# KiCad board rosco_m68k.kicad_pcb (continued)
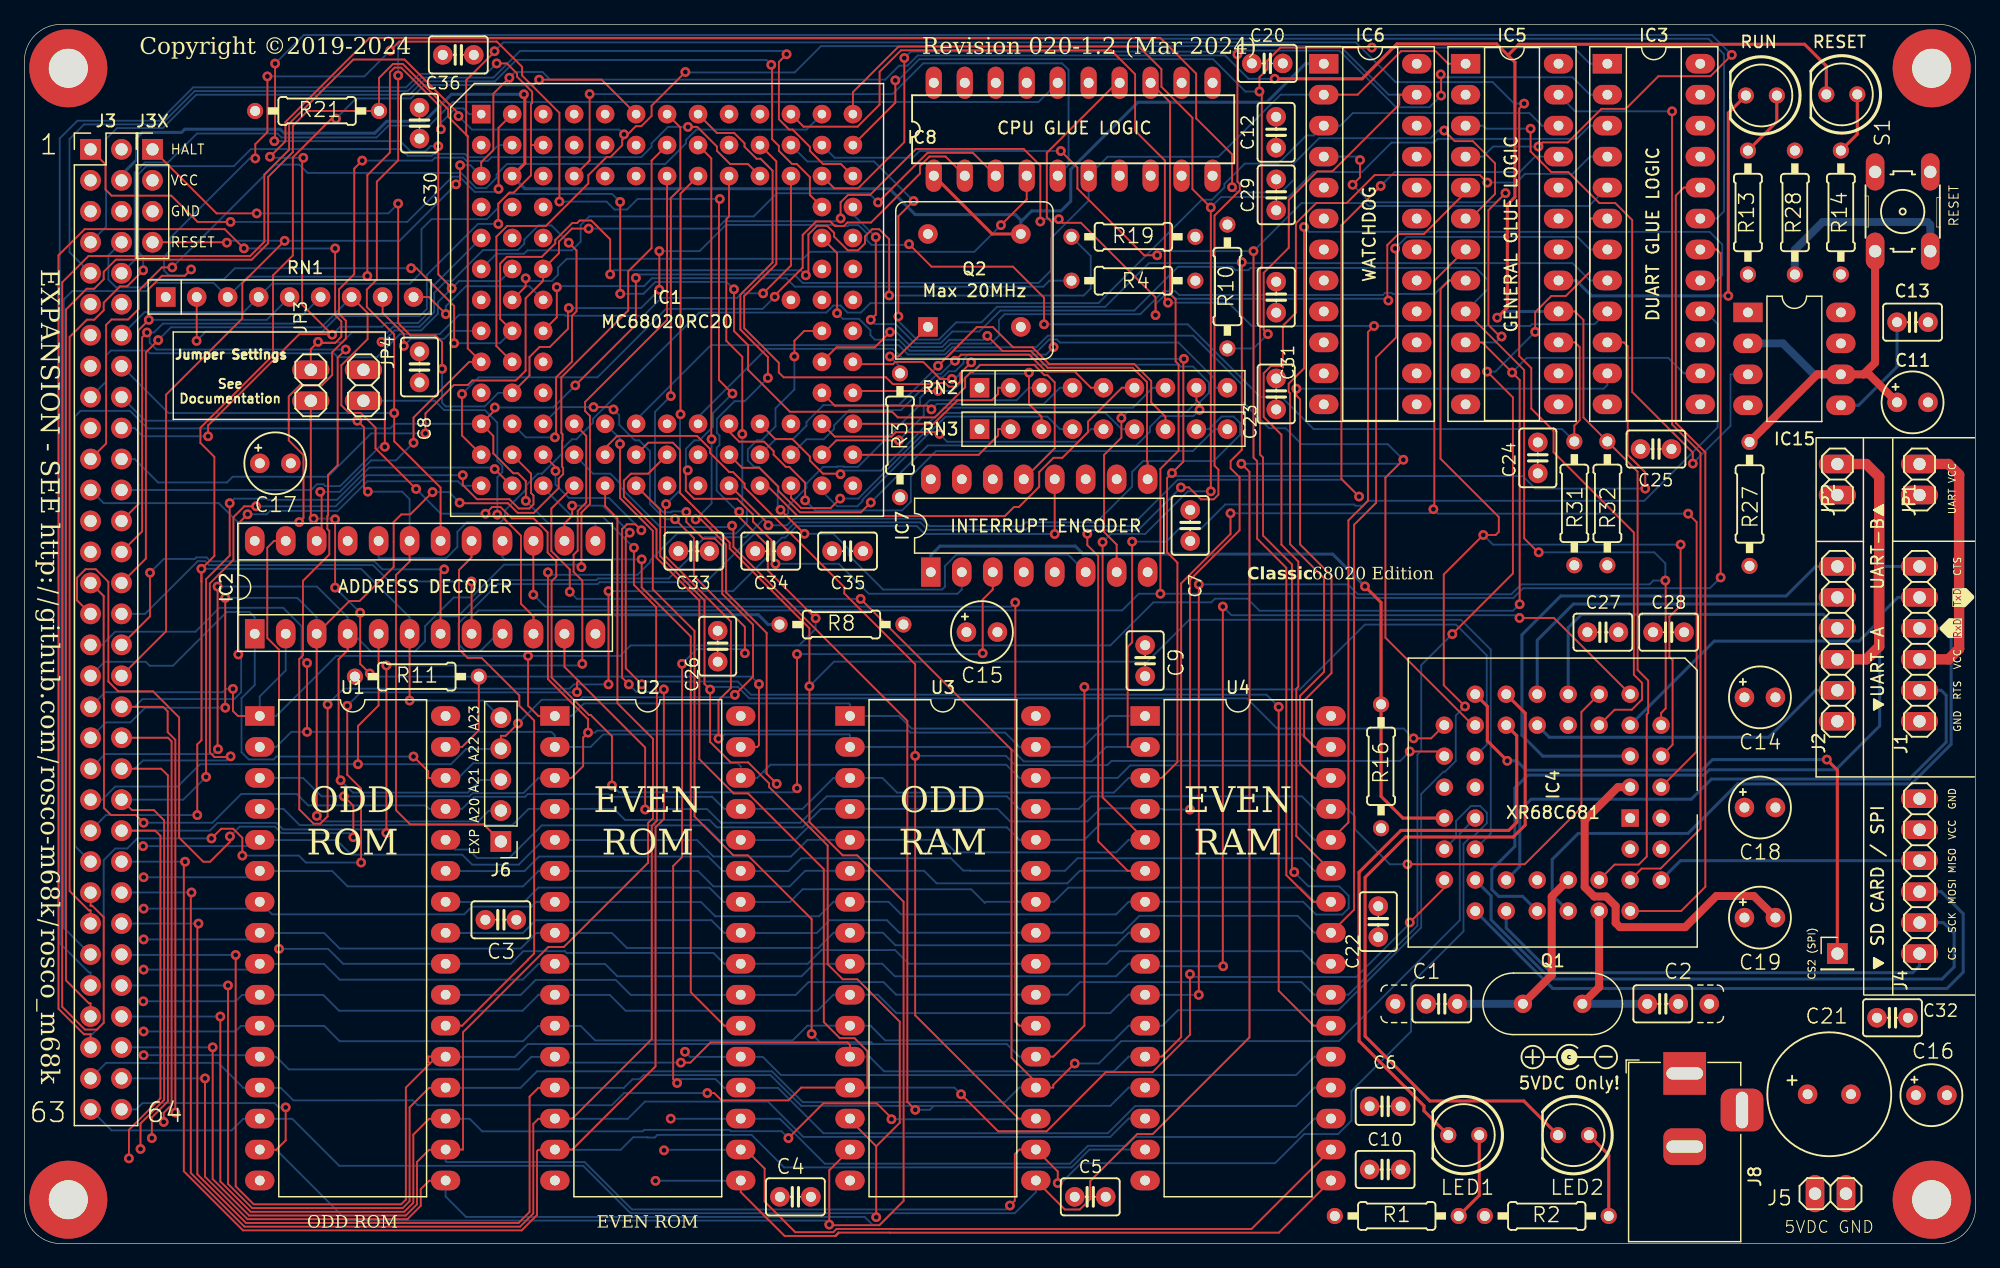
[diagram p0: board, top side]
## Routing (per net, layer and track width the routed paths; a pad name or vN(x,y) marks a point on that pad's centre or on a via; arc(x,y) is an arc through that point)
GND: length 143.1
  Top w0.65: C19.- 141.81,28.51 138.74,28.51 136.18,25.96 130.83,25.96 130.48,26.3 130.48,27.69 129.7,28.47 128.72,28.47 127.94,29.25 127.94,34.72 130.67,37.44 131.67,37.44
  Route2 w0.65: IC1.L7 51.46,66 51.46,63.4 IC1.N7 ; IC1.C3 43.33,87.56 45.55,85.34 47.71,85.34 48.75,84.3 54.4,84.3 56.54,86.44 56.54,88.86 IC1.B9 ; IC1.C3 41.3,86.32 41.3,82.03 40.45,81.18 39.08,81.18 38.76,80.86 38.76,71.81 39.49,71.08 41.3,71.08 IC1.J3 ; IC1.C3 41.3,88.8 38.76,88.8 IC1.B1 ; IC1.L11 64.1,68.48 65.91,68.48 66.7,69.27 66.7,73.62 IC1.H13 ; IC1.F12 IC1.G12 66.7,78.7 79.33,78.7 81.71,76.32 Q2.4
  Route2 w0.85: 149.27,4.2 149.27,11.74 C21.- 150.58,11.45 150.62,11.45 152.32,9.75 155.22,9.75 157.64,12.17 157.64,4.84
VCC: length 103.2
  Route15 w0.65: IC1.G11 63.65,77.4 64.89,78.64 66.7,78.64 IC1.G13 ; IC1.N13 67.94,58.51 C35.1 ; 32.1,86.55 32.1,85.25 36.17,81.18 41.24,81.18 IC1.E3 IC1.D3 IC1.D2 IC1.D1 ; C34.1 58.85,56.8 57.15,58.5 57.15,60.25 IC1.N8 56,62.92 56,63.94 IC1.M8
  Route15 w0.85: C16.+ 153.13,14.15 146.99,14.15 146.22,13.38 ; 7.96,89.75 J3-X1.2 12.53,85.18 12.53,82.14 11.15,80.76 11.15,78.08 RN1.1 ; 146.22,13.38 C21.+ 146.73,11.74 146.73,4.2 ; 146.22,13.38 146.22,19.52 ; 37.8,26.56 37.64,26.72 37.64,40.17 U1.32
VCCUA: length 21.5
  Top w0.85: J1.3 157.77,47.92 158.65,48.79 158.65,63.07 157.77,63.94 JP1.1
VCCUB: length 21.6
  Top w0.85: JP2.1 151.04,63.94 152.09,62.88 152.09,48.98 151.04,47.92 J2.3
A0: length 56.8
  Top w0.152: v1(46.35,94.28) 46.35,88.83 IC1.C4
  Bottom w0.152: v1(46.35,94.28) 71.18,94.28 73.7,96.81 85.09,96.81 85.62,96.27 85.62,88.48 IC8.5
A1: length 348.9
  Top w0.152: 134.21,37.44 137.12,40.35 137.12,59.18 v1(136.43,59.87) ; IC1.A2 38.88,91.52 v1(38.88,86.5) ; v1(115.54,60.23) 115.61,60.31 115.61,78.97 IC5.7 ; U4.12 93.25,15.34 94.85,16.94 94.85,54.16 98.9,58.2 v1(98.9,59.9) ; J3.1 6.65,88.52 6.65,86.45 7.15,85.95 12.05,85.95 14.2,83.8 v1(16.9,83.8) ; v1(53.83,14.85) 54.61,14.85 56.27,16.5 67.48,16.5 67.7,16.29 U3.12
  Route15 w0.152: v1(9.77,15.45) 9.15,14.82 1.6,14.82 0.42,16 0.42,85.75 4.42,89.75 J3.1
  Bottom w0.152: U3.12 69.29,15.34 70.5,14.13 89.34,14.13 90.55,15.34 U4.12 ; v1(38.88,86.5) 38.64,86.26 36.92,86.26 35.68,87.51 35.11,87.51 31.4,83.8 v1(16.9,83.8) ; 19.32,15.32 20.65,15.32 21.68,14.29 40.54,14.29 41.57,15.32 42.53,15.32 ; v1(53.83,14.85) 43.99,14.85 ; v1(136.43,59.87) 115.9,59.87 v1(115.54,60.23) 115.21,59.9 v1(98.9,59.9) ; v1(9.77,15.45) 19.16,15.45
A2: length 349.7
  Top w0.152: IC1.E12 66.64,81.24 v1(66.64,76.31) ; IC4.4 135.15,40.92 135.15,47.87 134.89,48.13 134.89,51.41 135.81,52.34 v1(135.81,57.33) ; v1(118.13,44.06) 116.39,45.8 116.39,54.88 v1(119.63,58.12) 120.64,58.12 120.9,58.38 120.9,59.6 116.12,64.38 116.12,78.29 116.82,79 IC5.8
  Route15 w0.152: J3.3 4.57,86.36 4.56,86.36 0.73,82.53 0.73,20.42 3.77,17.38 9.75,17.38 v1(9.77,17.4)
  Bottom w0.152: IC5.8 116.75,79 115.65,77.89 112.19,77.89 112.11,77.98 111.58,77.98 111.41,77.81 94.68,77.81 94.37,78.11 93.38,78.11 91.5,76.23 80.38,76.23 79.91,75.76 79.91,74.47 79.26,73.82 75.97,73.82 75.38,73.23 72.6,73.23 71.7,74.14 69.74,74.14 69.37,74.51 69.37,74.91 68.44,75.85 67.1,75.85 v1(66.64,76.31) ; v1(135.81,57.33) 120.42,57.33 v1(119.63,58.12) ; v1(9.77,17.4) 17.3,17.4 17.76,17.86 24.59,17.86 25.85,16.6 40.89,16.6 42.15,17.86 45.61,17.86 46.8,16.67 63,16.67 64.21,17.88 U3.11 69.37,17.88 70.58,16.67 89.34,16.67 90.55,17.88 U4.11 93.33,17.88 94.6,19.15 107.75,19.15 114.53,25.93 114.53,36.87 116.37,38.71 116.5,38.71 117.37,39.59 117.37,43.31 v1(118.13,44.06)
A3: length 352.2
  Top w0.152: v1(96.3,54.07) v1(96.3,20.4) ; v1(69.4,75.77) 69.81,76.19 v1(69.81,82.55) ; v1(134.56,54.39) 134.58,54.36 134.58,43.9 134.21,43.53 IC4.6 ; IC5.9 122.98,71.65 122.98,57.84 124.12,56.7 v1(124.17,56.7)
  Route15 w0.152: J3.5 1.03,80.28 1.03,22.14 3.27,19.9 9.72,19.9 v1(9.75,19.88)
  Bottom w0.152: IC5.9 120,78.28 120,79.04 119.01,80.03 100.55,80.03 100.36,79.84 99.31,79.84 99.04,80.11 94.6,80.11 91.02,76.53 80.03,76.53 78.3,74.81 76.09,74.81 75.12,73.84 73.01,73.84 71.43,75.42 69.75,75.42 v1(69.4,75.77) ; U2.10 42.17,20.42 42.15,20.4 ; v1(124.17,56.7) 133.65,56.7 134.56,55.79 v1(134.56,54.39) 133.58,54.39 133.26,54.07 122.74,54.07 121.93,53.26 109.34,53.26 108.53,54.07 v1(96.3,54.07) ; 42.15,20.4 48,20.4 49.3,19.1 65.03,19.1 66.35,20.42 U3.10 69.98,20.42 71.5,18.91 89.04,18.91 90.55,20.42 U4.10 ; 42.15,20.4 40.85,19.1 25.8,19.1 24.5,20.4 17.85,20.4 17.32,19.88 v1(9.75,19.88) ; v1(96.3,20.4) 91.92,20.4 ; 67.94,84.42 v1(69.81,82.55)
A4: length 305.4
  Top w0.152: v1(98.3,22.75) 98.27,22.78 v1(98.27,52.25) ; v1(61.24,96.68) 61.31,96.62 61.31,90.59 61.87,90.02 61.87,89.63 62.95,88.55 63.33,88.55 64.41,87.47 64.41,86.01 IC1.D12 ; IC4.7 125.42,51.32 v1(122.6,51.32)
  Route15 w0.152: J3.7 1.34,78.04 1.34,23.89 2.75,22.47 v1(9.77,22.47)
  Bottom w0.152: v1(98.3,22.75) 92.11,22.75 ; 19.3,22.94 24.56,22.94 25.85,21.65 40.86,21.65 42.15,22.94 47.61,22.94 48.62,21.93 63.73,21.93 64.75,22.95 66.34,22.95 66.35,22.96 U3.9 70.34,22.96 71.37,21.93 89.52,21.93 90.55,22.96 U4.9 ; v1(98.27,52.25) 98.98,51.54 122.37,51.54 v1(122.6,51.32) ; J3.7 6.7,83.41 6.7,90.6 7.59,91.49 11.35,91.49 14.09,94.23 31.56,94.23 32.67,95.33 38.58,95.33 40.33,97.08 60.84,97.08 v1(61.24,96.68) ; v1(9.77,22.47) 18.82,22.47
A5: length 235.1
  Top w0.152: v1(62.5,97.55) 61.87,96.92 61.87,92.22 62.72,91.37 63,91.37 64.41,89.96 64.41,89.63 65.49,88.55 66.95,88.55 IC1.C13
  Route15 w0.152: J3.9 1.64,75.81 1.64,26.91 3.6,24.95 v1(9.77,24.95)
  Bottom w0.152: v1(9.77,24.95) 18.75,24.95 ; 19.3,25.48 24.57,25.48 25.85,24.2 40.7,24.2 41.98,25.48 48.17,25.48 49.4,24.25 65.1,24.25 66.35,25.5 U3.8 70.4,25.5 71.43,24.47 89.52,24.47 90.55,25.5 U4.8 ; v1(62.5,97.55) 62.23,97.82 40.64,97.82 38.46,95.64 32.54,95.64 31.44,94.53 13.96,94.53 11.23,91.8 4.9,91.8 3.7,90.6 3.7,81.31 J3.9
A6: length 302.6
  Top w0.152: v1(104.12,30.47) 103.94,30.66 103.94,55.7 101.57,58.07 101.57,64.47 101.32,64.73 101.32,79.9 101.47,80.05 101.47,94.3 v1(101.27,94.49) 101.27,95.67 101.92,96.32 101.92,97.02 102.99,98.1 v1(110.49,98.1) ; v1(71.42,95.41) 71.42,93.58 IC1.B13
  Route15 w0.152: v1(9.77,27.47) 3.77,27.47 1.95,29.3 1.95,68.15 1.95,73.55 1.99,73.59 1.99,73.61 J3.11
  Bottom w0.152: v1(101.27,94.49) 100.12,94.49 97.47,97.15 73.38,97.15 71.64,95.41 v1(71.42,95.41) ; U2.7 41.99,28.04 41.97,28.02 ; v1(9.77,27.47) 18.76,27.47 ; 19.3,28.02 20.31,27.01 36.07,27.01 36.7,27.64 41.59,27.64 41.97,28.02 ; IC3.1 128.37,96.78 127.05,98.1 v1(110.49,98.1) ; 41.97,28.02 55.48,28.02 56.65,26.85 65.16,26.85 66.35,28.04 U3.7 70.86,28.04 71.9,27 89.51,27 90.55,28.04 U4.7 104.86,28.04 105.91,26.99 108.07,26.99 108.59,27.51 108.59,28.52 107.81,29.31 105.29,29.31 v1(104.12,30.47)
A7: length 297.5
  Top w0.152: v1(116.17,94.16) 116.17,95.86 v1(116.14,95.9) ; U4.6 90.47,30.58 88.05,32.99 88.05,56.39 87.16,57.29 v1(87.16,58.22) ; IC1.C12 66.41,86.55 68.36,86.55 72.15,90.34 v1(72.15,97.24) ; v1(94.83,62.02) 95.49,62.02 96.47,61.05 97.53,61.05 97.91,61.43 97.91,63.48 97.59,63.8 97.59,84.32 99.66,86.39 99.66,86.91 99.47,87.1 v1(99.47,97.54)
  Route15 w0.152: J3.13 2.25,71.34 2.25,68.28 2.25,68.28 2.25,31.39 3.57,30.07 9.75,30.07 v1(9.77,30.05)
  Bottom w0.152: 42.15,30.56 42.17,30.58 U2.6 ; 42.15,30.56 40.89,29.3 26.5,29.3 25.24,30.56 19.3,30.56 ; 42.15,30.56 55.24,30.56 56.5,29.3 62.75,29.3 64.03,30.58 U3.6 73.77,30.58 74.8,29.55 85.52,29.55 86.54,30.58 U4.6 ; v1(72.15,97.24) 72.68,97.77 99.45,97.77 ; v1(99.47,97.54) 99.45,97.56 99.45,97.77 ; IC3.2 128.37,94.24 126.95,95.66 116.37,95.66 v1(116.14,95.9) ; v1(116.17,94.16) 115.22,93.21 112.47,93.21 107.83,97.85 99.53,97.85 99.45,97.77 ; v1(9.77,30.05) 18.77,30.05 ; v1(94.83,62.02) 91.32,58.51 87.45,58.51 v1(87.16,58.22)
A8: length 269.8
  Top w0.152: v1(97.28,61.7) v1(97.28,84.99) 95.78,86.49 95.78,92.34 93.24,94.88 93.24,96.32 91.39,98.18 71.68,98.18 67.94,94.44 IC1.A13 ; U4.5 88.41,36.6 v1(88.41,57.54)
  Route15 w0.152: v1(9.72,32.6) 3.72,32.6 2.56,33.77 2.56,69.1 J3.15
  Bottom w0.152: IC3.3 128.37,91.7 127.29,90.61 115.88,90.61 115.57,90.31 112.11,90.31 109.69,87.89 105.7,87.89 103.65,85.84 98.14,85.84 v1(97.28,84.99) ; 19.3,33.1 25.6,33.1 26.8,31.9 35.9,31.9 36.72,31.08 40.53,31.08 42.55,33.1 55.15,33.1 56.5,31.75 62.85,31.75 64.22,33.12 75.27,33.12 75.3,33.15 76.36,32.09 89.52,32.09 90.55,33.12 U4.5 ; 18.78,32.6 v1(9.72,32.6) ; v1(97.28,61.7) 95.4,61.7 91.9,58.2 89.08,58.2 v1(88.41,57.54)
A9: length 292.9
  Top w0.152: U4.27 104.3,33.42 104.3,45.51 104.46,45.68 104.46,55.94 103.08,57.33 103.08,66.34 101.62,67.8 101.62,71.38 102.22,71.99 103.08,71.99 103.2,71.87 103.2,75.28 104.26,76.35 104.26,83.67 105.93,85.35 108.42,85.35 110.72,87.64 119.35,87.64 v1(119.96,87.03) ; v1(60.57,77.94) 62.86,80.23 IC1.C11
  Route15 w0.152: 34.54,30.56 24.32,30.56 22.29,32.59 22.29,45.16 20.1,47.35 14.94,47.35 13.8,48.49 13.8,60.12 13.23,60.7 13.23,63.23 8.48,67.97 6.89,67.97 J3.17
  Bottom w0.152: v1(60.57,77.94) 58.82,77.94 58.44,77.57 52.23,77.57 50.77,76.1 44.38,76.1 44.31,76.18 35.65,76.18 34.06,74.59 30.8,74.59 28.91,72.7 25.7,72.7 25.37,73.03 10.27,73.03 10.05,73.25 7.1,73.25 6.7,72.85 6.7,70.7 J3.17 ; v1(119.96,87.03) 122.34,87.03 123.05,87.74 126.96,87.74 128.37,89.16 IC3.4 ; U4.27 105.79,30.58 104.76,31.6 86.35,31.6 85.33,30.58 U3.27 77.57,30.58 77.55,30.6 76.98,30.6 75.98,31.6 63.7,31.6 62.66,30.56 57.26,30.56 56.07,31.75 42.2,31.75 41.01,30.56 34.54,30.56
A10: length 264.7
  Top w0.152: U4.26 105.67,28.04 103.48,30.22 103.48,55.42 101.09,57.82 101.09,64.17 100.79,64.47 v1(100.79,81.4) ; v1(84.99,89.62) 86.35,88.26 86.35,86.54 91.82,81.06 v1(92.89,81.06)
  Route15 w0.152: 34.54,28.02 26.43,28.02 21.98,32.46 21.98,45.04 19.98,47.04 14.81,47.04 13.5,48.36 13.5,60 12.92,60.57 12.92,62.03 9.38,65.57 6.74,65.57 J3.19
  Bottom w0.152: v1(84.99,89.62) 73.41,89.62 72.85,89.06 66.44,89.06 IC1.B12 ; v1(92.89,81.06) 93.23,81.4 v1(100.79,81.4) 104.73,85.35 109.99,85.35 110.23,85.1 128.29,85.1 IC3.5 ; U4.26 105.79,28.04 104.63,29.19 85.59,29.19 84.44,28.04 U3.26 78.84,28.04 78.75,27.95 77.63,29.06 63.81,29.06 62.77,28.02 57.35,28.02 56.17,29.2 42.15,29.2 40.97,28.02 34.54,28.02
A11: length 298.4
  Top w0.152: v1(119.94,71.52) 122.06,69.4 122.06,54.96 v1(117.09,49.99) ; v1(123.88,74.78) 123.88,76.4 125.21,77.73 126.4,77.73 128.37,79.7 128.37,84.08 IC3.6 ; J3.21 6.7,65.62 6.7,75.35 7.15,75.8 8.51,75.8 9.39,76.68 9.39,78.18 11.28,80.07 v1(12.13,80.07)
  Route15 w0.152: 34.54,20.4 33.19,20.4 21.38,32.21 21.38,44.78 19.72,46.43 14.56,46.43 12.89,48.11 12.89,59.75 12.21,60.43 4.82,60.43 4.1,61.15 4.1,63.02 J3.21
  Bottom w0.152: 34.54,20.4 40.7,20.4 41.72,21.42 41.72,21.43 41.92,21.63 48.49,21.63 49.72,20.4 63.25,20.4 64.29,21.44 70.45,21.44 71.48,20.42 U3.23 85.53,20.42 86.56,21.44 104.73,21.44 105.77,20.4 105.79,20.42 U4.23 108.57,20.42 114.23,26.08 114.23,40.11 114.54,40.42 114.54,47.45 v1(117.09,49.99) ; v1(123.88,74.78) 120.63,71.52 v1(119.94,71.52) ; IC1.A12 64.13,91.37 55.1,91.37 54.25,90.52 54.25,90.24 52.56,88.55 39.57,88.55 38.73,87.71 38.73,87.43 37.87,86.57 37.05,86.57 35.8,87.82 23.22,87.82 22.54,88.5 20.56,88.5 v1(12.13,80.07)
A12: length 300.3
  Top w0.152: IC1.C10 59.33,88.55 57.87,88.55 56.79,89.63 56.79,89.98 55.18,91.59 v1(54.42,91.59) ; U4.25 109.03,27.39 109.03,58.96 110.84,60.76 110.84,72.68 112.47,74.32 112.47,81.55 v1(112.4,81.62) ; v1(27.7,88.83) 27.05,88.18 27.05,79.52 25.8,78.27 25.8,76.26 26.36,75.7 26.36,74.23 25.24,73.11 25.24,71.24 24.4,70.4 22.59,70.4 21.68,69.49 21.68,65.88 22.89,64.67 22.89,59.53 v1(22.54,59.18)
  Route15 w0.152: 34.54,25.48 28.54,25.48 21.68,32.33 21.68,44.91 19.85,46.74 14.69,46.74 13.19,48.23 13.19,59.87 12.33,60.73 6.5,60.73 J3.23
  Bottom w0.152: U4.25 105.79,25.5 104.4,26.88 91.43,26.88 90.04,25.5 90.04,25.5 84.3,25.5 84.29,25.5 U3.25 71.75,25.5 70.72,26.53 66.03,26.53 64.98,25.48 57.39,25.48 ; v1(112.4,81.62) 113.34,82.56 127.35,82.56 128.37,81.54 IC3.7 ; v1(54.42,91.59) 52.77,91.59 51.43,90.25 51.43,89.96 50.58,89.11 38.3,89.11 38,88.8 36.26,88.8 35.99,89.07 33.68,89.07 33.44,88.83 v1(27.7,88.83) ; U2.25 57.41,25.5 57.39,25.48 ; 57.39,25.48 56.34,26.53 41.92,26.53 40.88,25.48 34.54,25.48 ; v1(22.54,59.18) 17.49,59.18 15.94,60.73 6.5,60.73 J3.23
A13: length 246.1
  Top w0.152: v1(71.67,76.05) 71.67,84.27 v1(72.91,85.51) ; v1(95.58,35.6) 95.58,54.45 99.64,58.51 99.64,62.86 98.91,63.59 98.91,64.19 99.83,65.11 v1(99.83,80.49)
  Route15 w0.152: 9.67,54.95 9.67,41.23 15.24,35.66 U1.4 ; 9.67,54.95 9.17,55.45 4.6,55.45 3.95,56.1 3.95,57.79 J3.25
  Bottom w0.152: U1.4 21.25,35.66 22.58,34.32 40.01,34.32 41.35,35.66 42.82,35.66 ; v1(95.58,35.6) 93.39,35.6 93.33,35.66 U4.4 ; IC1.B11 64.2,88.76 69.67,88.76 v1(72.91,85.51) ; 99.83,80.42 126.95,80.42 128.37,79 IC3.8 ; 99.83,80.42 92.21,80.42 88.63,76.84 79.75,76.84 78.47,75.56 76.41,75.56 75,74.15 73.18,74.15 71.67,75.66 v1(71.67,76.05) ; 99.83,80.42 v1(99.83,80.49) ; U2.4 48.34,35.66 49.25,34.75 56.18,34.75 56.78,34.14 63.81,34.14 65.32,35.66 U3.4 79.8,35.66 80.83,34.63 87.18,34.63 88.25,35.7 91.86,35.7
A14: length 288.7
  Top w0.152: U4.28 108.57,34.55 108.57,59.32 110.17,60.92 110.17,74.76 v1(110.67,75.26) ; IC1.A11 63.89,91.61 68.32,91.61 70.13,93.42 70.13,96.11 71.88,97.87 89.12,97.87 91.08,95.91 91.08,91.28 93.52,88.84 93.52,77.43 v1(93.77,77.18)
  Route15 w0.152: J3.27 6.77,58.07 9.12,58.07 9.55,58.5 12.32,58.5 12.58,58.24 12.58,47.98 14.43,46.13 19.6,46.13 21.07,44.66 21.07,32.08 33,20.15 33,19.47 33.38,19.1 36.2,19.1 36.6,19.5 36.6,32.7 36.2,33.1 34.54,33.1
  Bottom w0.152: v1(93.77,77.18) 98.73,77.18 100.64,75.26 v1(110.67,75.26) 123.48,75.26 123.62,75.41 128.76,75.41 IC3.9 ; U4.28 105.79,33.12 104.5,34.4 88.2,34.4 86.92,33.12 81.59,33.12 80.56,34.14 64.25,34.14 63.2,33.1 56.97,33.1 55.77,34.3 42.43,34.3 39.76,31.63 37.12,31.63 36.43,32.32 35.32,32.32 34.54,33.1
A15: length 256.5
  Top w0.152: v1(132.91,61.92) 132.91,63.26 131.47,64.7 131.47,73.6 131.16,73.92 IC3.10 ; J3.29 6.5,53.11 6.5,44.7 6.52,44.68 6.52,35.72 7.1,35.15 9.15,35.15 v1(9.77,34.52) ; IC1.B10 61.66,88.76 61.66,80.35 59.02,77.71 59.02,75.09 61.86,72.25 61.86,71.45 62.26,71.05 70.66,71.05 71.22,70.49 74.45,70.49 74.53,70.58 75.51,70.58 75.79,70.29 76.32,70.29 76.75,70.73 76.75,71.39 v1(77.64,72.28) ; v1(95.08,72.57) 95.03,72.52 95.03,64.13 v1(94.1,63.2) 93.7,62.8 93.7,56.7 94.55,55.85 94.55,39.49 93.25,38.2 U4.3
  Bottom w0.152: U4.3 90.55,38.2 89.34,36.99 71.56,36.99 70.35,38.2 66.35,38.2 63.81,35.66 57.39,35.66 56.38,36.67 56.35,36.64 48.12,36.64 47.9,36.87 41.27,36.87 41.05,36.65 36.88,36.65 35.89,35.66 33.19,35.66 32.9,35.94 23.27,35.94 22.34,36.88 17.78,36.88 15.42,34.52 v1(9.77,34.52) ; v1(132.91,61.92) 123.9,61.92 122.87,62.95 94.34,62.95 v1(94.1,63.2) ; v1(95.08,72.57) 77.92,72.57 v1(77.64,72.28)
A16: length 267.1
  Top w0.152: IC1.C9 57.78,84.25 57.55,84.02 57.55,74.05 58.87,72.73 v1(58.87,66.4) ; U4.31 105.79,40.74 104.94,41.59 104.94,44.55 107.18,46.79 107.18,54.77 104.61,57.35 104.61,69.25 104.3,69.55 v1(104.3,70.12) ; v1(16.85,33.4) 16.85,32.95 15.23,31.32 14.66,31.32 12.69,33.3 12.69,43.15 10.54,45.3 7.69,45.3 6.89,46.1 6.89,54.28 5.85,55.31 5.01,55.31 4.32,54.62 4.32,52.76 J3.31 ; v1(26.97,33.33) 26.97,35.91 v1(26.2,36.68) ; U2.3 44.85,38.2 45.82,39.16 45.82,41.52 v1(46.22,41.91) 46.22,43.01 46.22,43.01 42.93,46.3 v1(42.93,55.06)
  Bottom w0.152: v1(46.22,41.91) 46.78,41.91 46.94,42.07 72.5,42.07 72.65,41.91 80.41,41.91 81.59,40.74 U3.31 86.84,40.74 87.86,41.77 104.76,41.77 105.79,40.74 U4.31 ; v1(16.85,33.4) 17.65,34.2 20.55,34.2 21.08,33.67 26.64,33.67 v1(26.97,33.33) ; v1(42.93,55.06) 43.13,54.86 50.27,54.86 51.32,55.9 51.32,56.04 53.53,58.25 58.35,58.25 59.24,59.14 59.24,60.28 58.87,60.66 v1(58.87,66.4) ; 43.48,38.18 42.15,38.18 40.92,36.95 36.75,36.95 36.49,36.68 v1(26.2,36.68) 24.36,36.68 22.85,38.2 U1.3 ; v1(104.3,70.12) 129.5,70.12 129.8,70.42 129.8,70.9
A17: length 235.6
  Top w0.152: IC1.C8 53.8,86.12 v1(53.8,68.02) ; v1(52.62,60.65) 52.53,60.56 52.53,56.42 57.93,51.02 57.93,45.57 56.92,44.56 v1(56.92,41.42) ; U4.2 90.47,40.74 90.47,48.95 90.84,49.32 v1(90.84,57.58) ; v1(23.18,47.62) v1(23.18,41.97)
  Bottom w0.152: 57.42,41.77 47.45,41.77 46.43,40.74 U2.2 43.5,41.69 43.22,41.97 v1(23.18,41.97) 21.89,41.97 20.65,40.74 U1.2 ; 57.42,41.77 67.62,41.77 67.7,41.69 U3.2 80.76,40.74 81.95,39.55 87.52,39.55 88.7,40.74 U4.2 ; 57.42,41.77 57.07,41.42 v1(56.92,41.42) ; 137.82,76.46 138.85,75.43 138.85,66.95 132.83,60.93 110.15,60.93 109.74,60.52 109.14,60.52 109.04,60.62 98.47,60.62 96.51,58.66 94.72,58.66 93.63,57.58 v1(90.84,57.58) ; v1(52.62,60.65) 53.76,61.8 53.76,67.98 v1(53.8,68.02) ; J3.33 6.5,49.11 6.5,49.24 7.45,50.19 14.03,50.19 15.99,52.15 21.22,52.15 22.72,50.65 22.72,48.07 v1(23.18,47.62)
A18: length 267.4
  Top w0.152: v1(31.91,39.95) 33.11,38.75 33.11,38.2 U1.30 ; U4.30 105.79,38.2 104.6,39.38 104.6,44.93 106.57,46.9 106.57,54.58 103.78,57.37 103.78,69.76 103.67,69.86 103.67,70.53 104.93,71.79 v1(104.93,83.38) ; v1(56.35,65.97) 56.32,66 56.32,89.02 IC1.B8 ; v1(61.69,37.71) 60.86,38.54 60.86,50.09 57.53,53.42 57.53,57.34 55.47,59.4 v1(55.04,59.4)
  Bottom w0.152: 60.65,38.76 60.09,38.2 U2.30 58.74,39.15 58.49,39.4 36.79,39.4 35.59,38.2 ; 60.65,38.76 v1(61.69,37.71) ; 60.65,38.76 61.17,39.28 80.5,39.28 81.59,38.2 U3.30 84.29,38.2 84.3,38.2 86.87,38.2 86.87,38.2 89.65,38.2 90.67,39.22 104.76,39.22 105.79,38.2 U4.30 ; v1(104.93,83.38) 105.33,82.98 138.19,82.98 139.22,81.95 139.22,79.44 138.78,79 IC3.17 ; v1(31.91,39.95) 20.67,39.95 20.42,39.71 18.4,39.71 17.8,40.3 17.8,44.74 18.89,45.82 18.89,51.37 18.45,51.8 16.59,51.8 12.18,47.4 10.27,47.4 9.95,47.72 6.58,47.72 J3.35 ; v1(55.04,59.4) 56.35,60.71 v1(56.35,65.97)
A19: length 320.3
  Top w0.152: v1(121.45,86.16) 120.05,84.76 120.05,75.35 121,74.4 v1(121.13,74.4) ; v1(58.62,60.02) 58.62,59.59 60.96,57.25 60.96,55.21 v1(64.88,51.29) ; IC5.10 119.53,73.92 v1(121.99,71.45) 122.61,70.83 v1(122.61,52.44) ; U2.1 42.15,43.28 41.3,44.12 v1(41.3,48.2) ; U1.1 17.51,43.28 17.1,43.68 v1(17.1,45.5) ; IC1.A8 56.79,91.09 58.21,91.09 59.05,90.25 59.05,89.97 60.04,88.98 60.37,88.98 61.35,88 61.35,80.47 58.71,77.83 58.71,74.98 60.97,72.71 v1(60.97,71) ; v1(109.52,88.87) 109.52,87.46 v1(108.91,86.85)
  Bottom w0.152: v1(121.99,71.45) 123.19,72.65 134.8,72.65 136.07,71.38 IC3.14 ; v1(17.1,45.5) 16.53,45.5 16.26,45.22 6.62,45.22 J3.37 ; IC5.10 120.65,73.92 v1(121.13,74.4) ; v1(60.97,71) 59.06,69.09 58.23,69.09 56.78,67.64 56.78,66.5 57,66.28 57,65.5 56.77,65.26 56.77,61.75 58.49,60.02 v1(58.62,60.02) ; v1(108.91,86.85) 110.35,85.41 120.7,85.41 v1(121.45,86.16) ; IC6.4 109.23,89.16 v1(109.52,88.87) ; 63.52,49.06 49.71,49.06 48.84,48.2 v1(41.3,48.2) 25.58,48.2 20.65,43.28 U1.1 19.3,44.88 21.43,47.01 IC2.2 ; 63.52,49.06 64.88,50.42 v1(64.88,51.29) ; 63.52,49.06 89.04,49.06 92.58,52.59 97.33,52.59 97.63,52.9 100.29,52.9 101.28,51.91 122.08,51.91 v1(122.61,52.44) ; U4.1 88.94,43.28 87.92,42.25 72.75,42.25 71.72,43.28 U3.1 67.7,44.23 67.62,44.3 45.88,44.3 44.85,43.28 U2.1
A20: length 121.5
  Top w0.152: v1(23.98,35.08) 23.97,35.1 IC2.3 26.65,52.7 27.48,52.7 30.28,55.5 30.28,59.18 30.91,59.81 31.64,59.81 v1(33.47,61.64) ; v1(35.69,60.77) 35.74,60.72 39.66,60.72 40.45,59.93 41.78,59.93 43.81,61.97 43.81,62.74 44.18,63.11 44.18,63.63 44.09,63.72 44.09,65.83 44.13,65.87 44.13,66.39 44.03,66.49 44.03,71.05 49.51,76.53 49.51,79.74 51.43,81.66 51.43,88.83 IC1.B7 ; v1(16.47,52.96) v1(16.47,43.95)
  Bottom w0.152: v1(16.47,52.96) 22.38,52.96 23.97,51.37 IC2.3 ; v1(16.47,43.95) 9.9,43.95 8.7,42.75 6.68,42.75 J3.39 ; 39.07,35.49 38.07,35.49 37.2,34.63 24.44,34.63 v1(23.98,35.08) ; v1(35.69,60.77) 34.82,61.64 v1(33.47,61.64)
A21: length 122.5
  Top w0.152: v1(25.93,38) 25.76,38.17 25.76,47.92 26.51,48.67 IC2.4 ; v1(15.84,53.89) 15.84,40.58 v1(15.88,40.55) ; IC1.C7 52.7,75.75 45.98,69.03 45.98,68.28 46.38,67.88 46.38,60.66 45.68,59.97 v1(45.68,55.49)
  Bottom w0.152: v1(25.93,38) 26.94,36.99 36.36,36.99 37.41,38.03 39.07,38.03 ; v1(15.88,40.55) 15.47,40.15 6.62,40.15 J3.41 ; v1(45.68,55.49) 45.48,55.69 39.33,55.69 36.64,53 35.21,53 32.86,50.64 32.86,49.41 32.02,48.57 28.41,48.57 26.51,50.47 26.51,51.37 23.99,53.89 v1(15.84,53.89)
A22: length 123.1
  Top w0.152: IC1.A7 53.79,91.55 53.79,86.54 53,85.76 v1(53,69.52) ; v1(27.35,39.32) 27.35,42.45 29.05,44.14 IC2.5 ; v1(58.26,45.01) 59.75,46.5 59.75,50.77 57.22,53.29 57.22,57.22 56.61,57.83 55.64,57.83 54.28,59.19 v1(54.28,60.01) ; v1(40.48,42.66) 39.47,41.65 39.07,41.65 39.07,40.57
  Bottom w0.152: 39.07,40.57 36.23,40.57 34.98,39.32 v1(27.35,39.32) 14.4,39.32 12.57,37.49 7.45,37.49 6.5,36.54 6.5,36.41 J3.43 ; v1(58.26,45.01) 58.06,44.81 45.78,44.81 45.57,44.61 42.42,44.61 v1(40.48,42.66) ; v1(54.28,60.01) 54.23,60.06 53.11,60.06 53.04,59.98 52.4,59.98 51.71,60.68 51.71,68.22 v1(53,69.52)
A23: length 134.1
  Top w0.152: 22.01,89.09 22.01,81.04 20.39,79.42 20.39,72.87 14.44,66.91 14.44,65.67 15.58,64.53 15.58,56.41 14.52,55.35 14.52,54.3 ; v1(14.51,55.35) 14.51,54.3 14.52,54.3 ; v1(14.17,35.15) 14.17,40.94 14.52,41.29 14.52,54.3 ; 22.01,89.09 25.19,92.27 v1(25.55,92.27) ; v1(42.21,95.47) 47.33,95.47 IC1.A6 ; IC2.6 v1(31.59,44.54)
  Bottom w0.152: v1(14.17,35.15) 6.7,35.15 6.27,34.72 6.27,34.72 J3.45 ; v1(31.59,44.54) 37.64,44.54 39.07,43.11 ; v1(14.51,55.35) 27.61,55.35 31.59,51.37 IC2.6 ; v1(42.21,95.47) 41.74,95 39.51,95 39.48,95.03 32.79,95.03 31.69,93.92 27.2,93.92 v1(25.55,92.27)
AS: length 186.8
  Top w0.152: v1(45.17,70.39) 50.14,75.36 v1(50.14,79.2) ; IC5.1 116.75,96.78 115.72,97.8 112.89,97.8 109.32,94.24 IC6.2 ; v1(38.58,68.58) 38.58,68.36 IC1.L1 38.45,66.25 38.45,64.81 40.08,63.18 40.47,63.18 41.11,62.54 v1(41.11,60.92)
  Bottom w0.152: v1(41.11,60.92) 42.97,59.07 46.83,59.07 IC2.13 ; v1(45.17,70.39) 43.36,68.58 v1(38.58,68.58) ; IC1.L1 30.37,67.24 30,66.87 10.1,66.87 8.66,68.3 4.6,68.3 4.15,67.85 4.15,32.6 J3.47 ; v1(50.14,79.2) 50.43,79.49 63.12,79.49 63.82,78.79 83.16,78.79 84.18,79.82 84.18,82.46 87.27,85.55 IC8.6 88.82,89.14 97.91,89.14 103,94.24 IC6.2
BERR: length 262
  Top w0.152: v1(101.97,74.6) 101.62,74.94 101.62,79.62 103.68,81.68 103.68,85.61 106.02,87.95 107.26,87.95 112.74,93.43 112.74,94.24 IC6.23 ; IC1.J2 38.7,73.62 38.7,82.59 39.59,83.47 42.76,83.47 46.24,86.95 46.24,87.63 47.72,89.11 48.05,89.11 49.02,90.08 49.02,90.53 49.32,90.83 ; 49.32,90.83 50.14,91.65 50.59,91.65 51.43,92.49 51.43,93.33 v1(54.2,96.1) ; 49.32,90.83 v1(49.17,90.98) ; J3.49 5.42,27.71 5.56,27.71 6.5,26.77 6.5,18.11 5.94,17.55 4.97,17.55 3.1,19.42 3.1,78.84 5.26,81 18.51,81 19.68,82.17 19.68,87.69 21.71,89.72 21.71,91.85 26.97,97.12 31.18,97.12 35.6,92.7 v1(35.6,92.48)
  Bottom w0.152: v1(49.17,90.98) 48.78,91.37 36.71,91.37 v1(35.6,92.48) ; IC6.23 111.87,94.24 107.89,98.22 65.32,98.22 63.16,96.06 54.24,96.06 v1(54.2,96.1) ; R10.1 100.79,73.42 v1(101.97,74.6)
BG: length 97.9
  Top w0.152: J3.51 5.42,27.33 5.29,27.33 3.71,28.91 3.71,74.37 5.12,75.78 5.73,75.78 6.5,76.55 6.5,77.17 7.84,78.51 8.42,78.51 v1(9.74,79.83)
  Bottom w0.152: IC1.B2 38.86,90.1 37.87,89.11 36.38,89.11 36.11,89.38 33.55,89.38 33.4,89.23 31.44,89.23 30.89,89.77 18.58,89.77 17.17,88.37 10,88.37 9.35,87.72 9.35,81.33 9.74,80.94 v1(9.74,79.83)
BGACK: length 110.8
  Top w0.152: v1(28.12,79.36) 28.12,87.64 29.97,89.49 29.97,96.07 30.35,96.45 30.9,96.45 34.12,93.23 34.12,91.43 v1(34.15,91.4)
  Bottom w0.152: J3.53 3.24,25.9 3.24,77.44 3.32,77.52 3.32,77.53 3.92,78.13 10.04,78.13 10.71,78.8 15.51,78.8 RN1.3 18.34,79.31 28.07,79.31 v1(28.12,79.36) ; v1(34.15,91.4) 34.15,91.92 35.34,93.11 36,93.11 36.47,92.64 IC1.A1
BOOT: length 128.5
  Top w0.152: v1(109.44,61.27) 108,62.72 108,83.53 v1(111.22,86.75)
  Bottom w0.152: 38.81,50.02 37.38,48.59 36.17,48.59 35.6,49.16 35.6,50.88 38.81,54.09 47,54.09 47.16,54.25 55.89,54.25 59.85,58.21 62.25,58.21 63.2,59.16 73.47,59.16 74.08,58.55 82.13,58.55 82.44,58.85 90.77,58.85 94.57,62.65 108.06,62.65 v1(109.44,61.27) ; v1(111.22,86.75) 112.35,87.89 122.61,87.89 123.88,89.16 IC5.21
BR: length 160.2
  Top w0.152: v1(38.86,83.63) 38.86,85.3 39.77,86.21 40.13,86.21 41.54,87.61 41.54,90.1 ; 41.54,90.1 IC1.B3 ; 41.54,90.1 41.54,93.46 41.63,93.56 41.63,94.48 40.4,95.71 40.4,95.97 39.57,96.8 v1(38.73,96.8) ; RN1.2 14.13,74.05 v1(14.12,74.04)
  Bottom w0.152: v1(38.86,83.63) 37.19,83.63 33,79.44 33,76.66 32.42,76.07 25.69,76.07 24.43,74.81 14.89,74.81 v1(14.12,74.04) ; v1(38.73,96.8) 37.87,95.94 32.42,95.94 31.31,94.83 13.83,94.83 11.1,92.1 4.35,92.1 2.9,90.65 2.9,24.64 5.29,22.25 5.42,22.25 J3.55
CDIS: length 11.6
  Top w0.152: v1(31.11,73.63) 31.11,74.61 29.37,76.35 RN1.8
  Bottom w0.152: IC1.H1 35.06,74.86 34.41,74.21 31.69,74.21 v1(31.11,73.63)
CLK: length 129.5
  Top w0.152: 40.99,94.23 v1(40.96,94.26)
  Top w0.25: IC8.1 79.35,82.81 Q2.5 ; IC1.C2 41.04,88.6 41.04,94.19 v1(40.96,94.26)
  Bottom w0.175: 73.1,84.4 73.09,84.4
  Bottom w0.25: 81.71,83.81 82.6,84.7 85,84.7 85.8,85.5 85.8,88.1 91.31,93.61 101.88,93.61 105.05,96.78 IC6.1 ; IC1.C2 41.04,86.52 70.93,86.52 73.05,84.4 81.25,84.4 81.71,83.94 Q2.5 ; v1(40.96,94.26) 35.02,94.26 32.8,92.05 29.7,92.05 28.73,91.08 21.3,91.08 20.98,91.4 13.15,91.4 12.89,91.14 9.65,91.14 9.2,90.7 9.2,88.9 7.96,87.66
CPUSP: length 116
  Bottom w0.152: IC2.20 29.05,56.21 34.58,56.21 35.5,57.14 35.5,58.38 36.29,59.16 39.04,59.16 39.41,59.53 39.41,60.13 41.18,61.9 41.18,62.22 42.11,63.15 42.44,63.15 42.44,63.15 44.09,64.8 44.09,65.16 44.9,65.97 45.26,65.97 46.63,67.33 46.63,67.65 55.34,76.36 65.76,76.36 66.34,76.94 66.92,76.94 67.5,76.36 68.59,76.36 69.37,77.14 88.08,77.14 88.57,77.63 88.57,77.64 96.55,85.62 97.39,85.62 98.4,86.63 98.4,86.91 100.07,88.58 102.81,88.58 105.12,90.89 105.75,90.89 IC6.3 107.9,91.7 108.93,92.72 123.42,92.72 124.44,91.7 IC5.22
CTSA: length 31.5
  Bottom w0.25: J1.6 152.5,55.54 151.73,54.78 151.73,50.69 150.46,49.42 146.55,49.42 146.54,49.41 138.56,49.41 IC4.8
CTSB: length 46
  Bottom w0.25: IC4.5 124.51,39.98 122.8,41.69 122.8,49.94 125.98,53.12 144.47,53.12 146.89,55.54 J2.6
D0: length 192.9
  Top w0.152: v1(113.6,26.34) 116.43,29.18 IC4.28 ; v1(95.58,22.1) 95.58,17.13 92.52,14.07 88.68,14.07 83.83,9.22 79.84,9.22 v1(76.81,12.25) ; IC1.M7 51.15,63.15 49.73,63.15 49.16,62.58 49.16,61.26 51.83,58.59 51.83,56.26 55.34,52.75 55.34,39.74 58.15,36.93 59.33,36.93 65.55,30.71 65.55,18.17 66.87,16.85 68.07,16.85 69.13,15.79 69.13,12.8 U3.13 63.7,12.8 62.65,11.75 57.17,11.75 56.57,12.35 v1(56,12.35)
  Bottom w0.152: v1(95.58,22.1) 95.8,21.87 109.22,21.87 113.6,26.26 v1(113.6,26.34) ; v1(76.81,12.25) 76.26,12.8 U3.13 ; J3.61 6.7,14.82 15.9,14.82 17.95,12.78 21.02,12.78 22.05,11.75 31.85,11.75 32.25,11.35 48.16,11.35 49.16,12.35 v1(56,12.35)
D1: length 205.7
  Top w0.152: v1(113.91,41.44) 115.35,41.44 IC4.18 ; IC1.N6 52.14,60.18 52.14,56.39 55.77,52.76 55.77,45.9 v1(56.23,45.44) 56.23,41.16 57.92,39.47 59.35,39.47 61.06,37.75 61.06,37.45 65.87,32.65 65.87,22.91 67.1,21.68 68.3,21.68 71.78,18.2 71.78,9.91 69.85,7.98 ; 67.7,10.13 69.85,7.98 ; 69.85,7.98 v1(69.85,2.17)
  Bottom w0.152: v1(56.23,45.44) 56.44,45.66 58.51,45.66 59.44,44.72 100.25,44.72 102.72,42.25 113.11,42.25 v1(113.91,41.44) ; J3.63 7.15,9.28 17,9.28 17.95,10.24 21.96,10.24 25.82,6.38 45.82,6.38 49.7,2.5 69.53,2.5 v1(69.85,2.17)
D2: length 232.1
  Top w0.152: IC1.M6 51.15,65.69 53.18,65.69 53.76,65.1 53.76,61.57 57.83,57.5 57.83,57.01 64.37,50.47 v1(64.37,45.72) 64.37,34.58 67.11,31.85 68.29,31.85 72.09,28.04 72.09,3.5 70.1,1.51 66.05,1.51 v1(66,1.56) 66,6.02 U3.15 ; 19.32,7.7 20.65,7.7 21.42,8.47 v1(21.42,11.17)
  Bottom w0.152: 7.96,11.01 9.17,11.01 9.68,11.53 20.51,11.53 20.86,11.17 v1(21.42,11.17) ; v1(66,1.56) 65.68,1.89 26.46,1.89 20.65,7.7 19.32,7.7 ; IC4.27 120.24,33.63 120.24,48.72 117.8,51.16 95.51,51.16 92.08,47.73 66.39,47.73 v1(64.37,45.72)
D3: length 273.6
  Top w0.152: v1(113.07,64.29) 111.6,62.82 111.6,49.7 118.78,42.52 ; U3.17 85.32,2.8 86.55,2.8 87.4,3.65 87.4,5.14 91.25,8.99 92.53,8.99 100.46,16.92 100.46,63.3 v1(99.79,63.96) ; v1(14.81,13.55) 14.81,5.49 18.3,2 31.4,2 32.5,3.1 32.5,4.47 33.19,5.16 34.52,5.16
  Bottom w0.152: v1(99.79,63.96) 112.74,63.96 v1(113.07,64.29) 111.81,65.56 104.73,65.56 103.42,66.88 102.06,66.88 99.87,69.07 99.87,70.43 95.83,74.47 83.92,74.47 82.97,73.52 76.09,73.52 75.5,72.93 72.45,72.93 71.68,73.69 56.29,73.69 50.16,67.56 ; 34.54,5.16 34.54,3.86 36.21,2.19 68.9,2.19 69.55,1.54 70.15,1.54 71.1,2.5 81.21,2.5 82.94,4.22 U3.17 ; v1(14.81,13.55) 7.96,13.55
D4: length 228.5
  Top w0.152: U1.18 35.97,7.72 35.97,17.34 42.96,24.33 44.24,24.33 51.14,31.24 51.14,34.5 51.54,34.9 51.54,41.41 48.63,44.33 48.63,59.5 47.62,60.5 IC1.N5 ; v1(84.73,4.96) 84.73,5.92 U3.18 81.59,7.72 81.21,7.34 81.21,3.52 v1(80.81,3.12) ; v1(15.44,16.1) 15.44,5.29 18.43,2.31 31.27,2.31 32.19,3.23 32.19,6.7 33.19,7.7 34.52,7.7
  Bottom w0.152: v1(80.81,3.12) 80.49,2.8 49.83,2.8 45.94,6.69 34.62,6.69 34.54,6.76 U1.18 ; v1(15.44,16.1) 7.97,16.1 ; IC4.26 117.4,33.33 117.4,34.67 118.62,35.89 119.38,35.89 119.92,35.35 119.92,34.48 118.74,33.3 118.53,33.3 118.01,32.78 118.01,25.62 113.71,21.32 113.71,17.41 108.82,12.52 108.82,10.08 107.72,8.99 104.95,8.99 102.56,6.6 86.65,6.6 85.01,4.96 v1(84.73,4.96)
D5: length 218.7
  Top w0.152: v1(71.1,10.2) 71.14,10.24 71.14,10.26 69.9,11.5 65.5,11.5 v1(62.65,8.65) ; U3.19 81.51,10.26 73.04,18.72 v1(73.04,40.01) 73.04,47.52 67.23,53.33 67.23,53.85 59.05,62.03 59.05,62.34 58.11,63.28 57.8,63.28 56.23,64.85 56.23,65.17 55.16,66.25 48.61,66.25 47.62,65.26 ; v1(113.6,40.37) 116.05,40.37 ; 34.52,10.24 33.19,10.24 31.89,8.94 31.89,3.35 31.15,2.61 18.55,2.61 16.07,5.09 v1(16.07,18.62)
  Bottom w0.152: v1(113.6,40.37) 112.82,39.59 89.14,39.59 88.8,39.24 81.24,39.24 80.48,40.01 v1(73.04,40.01) ; v1(71.1,10.2) 82.88,10.2 ; v1(62.65,8.65) 62.08,9.22 57.92,9.22 57.81,9.33 50.82,9.33 50.7,9.21 37.54,9.21 36.51,10.24 34.56,10.24 ; v1(16.07,18.62) 7.97,18.62
D6: length 232.2
  Top w0.152: v1(68.57,52.88) 80.94,40.5 80.94,15.24 83.39,12.8 84.37,12.8 84.37,13.01 v1(86.13,14.77) ; v1(16.7,21.17) 16.7,4.9 18.68,2.92 31.02,2.92 31.59,3.48 31.59,11.17 33.19,12.78 34.52,12.78 ; IC1.N4 43.21,60.29 43.21,56.81 44.72,55.3 v1(44.72,53.46)
  Bottom w0.152: IC4.25 117.7,33.63 117.7,26.53 107.78,16.61 89.94,16.61 88.11,14.77 v1(86.13,14.77) ; v1(44.72,53.46) 45.3,52.88 v1(68.57,52.88) ; U3.20 81.59,12.8 80.4,11.6 63.83,11.6 61.3,14.13 42.03,14.13 40.68,12.78 34.54,12.78 ; v1(16.7,21.17) 7.97,21.17
D7: length 248
  Top w0.152: 33.25,14.77 31.28,12.8 31.28,3.61 30.9,3.22 18.8,3.22 17.32,4.7 v1(17.32,23.67) ; 33.25,14.77 33.8,15.32 ; 33.25,14.77 33.11,14.91 33.11,15.34 U1.21 ; U3.21 84.37,15.34 86.92,17.89 v1(86.92,45.65) ; v1(64.56,17.2) 64.56,26.62 59.33,31.85 58.13,31.85 54.95,35.03 54.95,50.25 51.53,53.67 51.53,58.46 48.84,61.15 v1(48.84,65.59)
  Bottom w0.152: 69.6,16.36 80.56,16.36 81.59,15.34 U3.21 ; 69.6,16.36 69.45,16.52 65.24,16.52 v1(64.56,17.2) ; 69.6,16.36 41.27,16.36 40.22,15.32 34.56,15.32 ; v1(48.84,65.59) 48.84,66.02 IC1.L5 ; IC4.21 119.91,40.92 119.91,48.25 117.39,50.77 109.91,50.77 104.6,45.46 87.12,45.46 v1(86.92,45.65) ; v1(17.32,23.67) 8,23.67
D8: length 189.9
  Top w0.152: v1(73.05,10.97) 72.4,11.63 72.4,42.88 58.14,57.14 58.14,58.77 v1(58.03,58.88) ; v1(14.27,26.25) 14.18,26.16 14.18,5.69 18.17,1.7 40.52,1.7 41.42,2.6 41.42,12.05 42.15,12.78 43.48,12.78
  Bottom w0.152: 74.58,11.3 89.05,11.3 89.52,11.77 89.52,11.77 90.55,12.8 U4.13 ; 74.58,11.3 74.25,10.97 v1(73.05,10.97) ; 74.58,11.3 63.7,11.3 61.18,13.82 50.77,13.82 50.43,13.48 49.86,13.48 49.16,12.78 43.52,12.78 ; v1(58.03,58.88) 57.92,58.77 52.14,58.77 48.89,62.02 48.89,62.31 48.05,63.15 46.63,63.15 IC1.M4 ; v1(14.27,26.25) 7.96,26.25
D9: length 180.6
  Top w0.152: v1(13.7,28.8) 13.65,28.75 13.65,5.79 18.05,1.39 40.65,1.39 41.73,2.47 41.73,9.82 42.15,10.24 43.48,10.24 ; U2.14 44.93,10.26 51.45,16.77 51.45,34.27 51.86,34.68 51.86,45.14 51.81,45.2 51.81,52.2 49.98,54.03 v1(49.98,57.07)
  Bottom w0.152: v1(49.98,57.07) 47.42,59.63 44.92,59.63 42.54,62.01 ; 43.5,10.24 49.48,10.24 50.89,11.65 60.97,11.65 63.87,8.75 89.04,8.75 90.55,10.26 U4.14 ; v1(13.7,28.8) 7.97,28.8
